# KiCad board keyboard.kicad_pcb (continued)
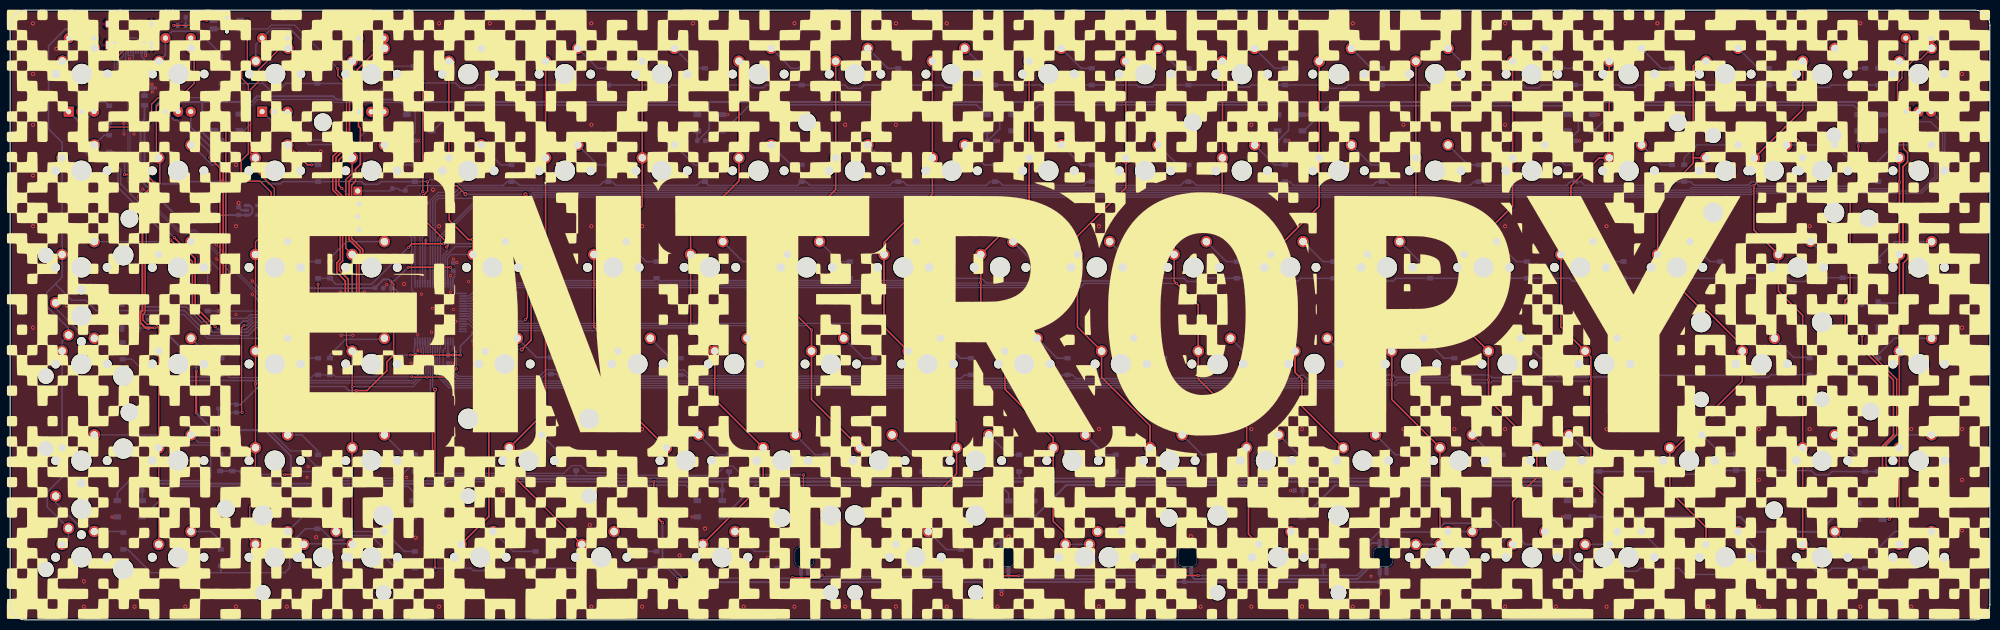
[diagram p0: board, top side]
## Nets
+3V3: C2.2 C6.1 C7.2 C14.2 C15.2 C16.2 C17.2 Q1.1 R1.1 R9.1 R11.1 SW1.1 U2.5 U3.1 U3.13 U3.19 U3.32 U3.48 U3.64
+5V: C18.2 C19.2 C20.2 C21.2 C22.2 C23.2 C24.2 C25.2 C27.2 C28.2 C29.2 C30.2 C32.2 C33.2 C34.2 C35.2 C36.2 C37.2 C38.2 C39.2 D1.1 D2.1 D3.1 D4.1 D5.1 D6.1 D7.1 D8.1 D9.1 D10.1 D11.1 D12.1 D13.1 D15.1 D17.1 D20.1 D21.1 D22.1 D23.1 D25.1 R2.1
GND: BZ1.2 C1.1 C2.1 C3.2 C4.2 C5.2 C6.2 C7.1 C14.1 C15.1 C16.1 C17.1 C18.1 C19.1 C20.1 C21.1 C22.1 C23.1 C24.1 C25.1 C26.2 C27.1 C28.1 C29.1 C30.1 C32.1 C33.1 C34.1 C35.1 C36.1 C37.1 C38.1 C39.1 C40.1 D1.3 D2.3 D3.3 D4.3 D5.3 D6.3 D7.3 D8.3 D9.3 D10.3 D11.3 D12.3 D13.3 D14.1 D15.3 D17.3 D20.3 D21.3 D22.3 D23.3 D25.3 J1.A1 J1.A12 J1.B1 J1.B12 J1.S1 J2.3 K_0.C K_1.C K_2.C K_3.C K_19.C Q3.2 R5.1 R6.2 R8.2 U1.2 U2.2 U3.12 U3.31 U3.47 U3.63 Y1.2 Y1.4
VBUS: C40.2 F1.2 J1.A4 J1.A9 J1.B4 J1.B9 U1.5
/BOOT0: C3.1 D24.1 R8.1 U3.60
/BUZZER: BZ1.1 U3.20
/col0: K_0.S1 K_20.1 K_39.1 K_40.1 K_59.1 K_77.1 K_78.1 K_96.1 U3.33
/col1: K_1.S1 K_21.1 K_41.1 K_60.1 K_79.1 K_97.1 U3.30
/col2: K_2.S1 K_22.1 K_42.1 K_61.1 K_80.1 K_108.1 U3.29
/col3: K_3.S1 K_23.1 K_43.1 K_62.1 K_81.1 K_98.1 K_109.1 U3.28
/col4: K_4.1 K_24.1 K_44.1 K_63.1 K_99.1 U3.62
/col5: K_5.1 K_25.1 K_82.1 K_100.1 U3.61
/col6: K_6.1 K_26.1 K_45.1 K_64.1 K_83.1 U3.11
/col7: K_7.1 K_27.1 K_46.1 K_65.1 K_84.1 K_101.1 U3.10
/col8: K_8.1 K_28.1 K_47.1 K_66.1 K_85.1 U3.9
/col9: K_9.1 K_29.1 K_48.1 K_67.1 K_86.1 K_110.1 U3.8
/col10: K_10.1 K_30.1 K_49.1 K_68.1 K_87.1 K_102.1 K_111.1 U3.2
/col11: K_11.1 K_31.1 K_50.1 K_69.1 K_88.1 U3.3
/col12: K_12.1 K_32.1 K_51.1 K_70.1 K_89.1 K_112.1 U3.4
/col13: K_13.1 K_33.1 K_52.1 K_71.1 K_90.1 U3.17
/col14: K_14.1 K_34.1 K_53.1 K_72.1 K_91.1 K_103.1 K_113.1 U3.22
/col15: K_15.1 K_35.1 K_54.1 K_73.1 K_92.1 K_114.1 U3.23
/col16: K_16.1 K_36.1 K_55.1 K_74.1 K_104.1 K_115.1 U3.24
/col17: K_17.1 K_56.1 K_75.1 K_93.1 K_105.1 K_117.1 U3.55
/col18: K_18.1 K_37.1 K_57.1 K_94.1 K_106.1 K_118.1 U3.56
/col19: K_19.S1 K_38.1 K_58.1 K_76.1 K_95.1 K_107.1 U3.57
/ENC0_A: K_0.A U3.34
/ENC0_B: K_0.B U3.35
/ENC1_A: K_1.A U3.38
/ENC1_B: K_1.B U3.39
/ENC2_A: K_2.A U3.40
/ENC2_B: K_2.B U3.41
/ENC3_A: K_3.A U3.43
/ENC3_B: K_3.B U3.42
/ENC4_A: K_19.A U3.58
/ENC4_B: K_19.B U3.59
/nRST: C26.1 J2.1 Q3.3 U3.7
/row0: D_0.1 D_1.1 D_2.1 D_3.1 D_4.1 D_5.1 D_6.1 D_7.1 D_8.1 D_9.1 D_10.1 D_11.1 D_12.1 D_13.1 D_14.1 D_15.1 D_16.1 D_17.1 D_18.1 D_19.1 U3.51
/row1: D_20.1 D_21.1 D_22.1 D_23.1 D_24.1 D_25.1 D_26.1 D_27.1 D_28.1 D_29.1 D_30.1 D_31.1 D_32.1 D_33.1 D_34.1 D_35.1 D_36.1 D_37.1 D_38.1 D_59.1 U3.52
/row2: D_39.1 D_41.1 D_42.1 D_43.1 D_44.1 D_45.1 D_46.1 D_47.1 D_48.1 D_49.1 D_50.1 D_51.1 D_52.1 D_53.1 D_54.1 D_55.1 D_56.1 D_57.1 D_58.1 U3.53
/row3: D_40.1 D_60.1 D_61.1 D_62.1 D_63.1 D_64.1 D_65.1 D_66.1 D_67.1 D_68.1 D_69.1 D_70.1 D_71.1 D_72.1 D_73.1 D_74.1 D_75.1 D_76.1 U3.27
/row4: D_77.1 D_79.1 D_80.1 D_81.1 D_82.1 D_83.1 D_84.1 D_85.1 D_86.1 D_87.1 D_88.1 D_89.1 D_90.1 D_91.1 D_92.1 D_93.1 D_94.1 D_95.1 U3.26
/row5: D_78.1 D_97.1 D_98.1 D_99.1 D_100.1 D_101.1 D_102.1 D_103.1 D_104.1 D_105.1 D_106.1 D_107.1 D_108.1 D_110.1 D_112.1 D_114.1 U3.25
/SWDCLK: J2.4 U3.49
/SWDIO: J2.2 U3.46
/underglow: Q1.2 R1.2 U3.36
/USB+: J1.A6 J1.B6 U1.3
/USB-: J1.A7 J1.B7 U1.1
/USB_D+: R9.2 U1.4 U3.45
/USB_D-: U1.6 U3.44
/XTAL_0: C4.1 U3.5 Y1.3
/XTAL_1: C5.1 U3.6 Y1.1
Net-(C1-Pad2): C1.2 F1.1 U2.1 U2.3
Net-(D1-Pad2): D1.2 D3.4
Net-(D1-Pad4): D1.4 Q1.3 R2.2
Net-(D2-Pad2): D2.2 D4.4
Net-(D2-Pad4): D2.4 D20.2
Net-(D3-Pad2): D3.2 D5.4
Net-(D4-Pad2): D4.2 D6.4
Net-(D5-Pad2): D5.2 D7.4
Net-(D6-Pad2): D6.2 D8.4
Net-(D7-Pad2): D7.2 D9.4
Net-(D10-Pad2): D10.2 D12.4
Net-(D10-Pad4): D8.2 D10.4
Net-(D11-Pad2): D11.2 D13.4
Net-(D11-Pad4): D9.2 D11.4
Net-(D12-Pad2): D12.2 D21.4
Net-(D13-Pad2): D13.2 D15.4
Net-(D14-Pad2): D14.2 R11.2
Net-(D15-Pad2): D15.2 D17.4
Net-(D17-Pad2): D17.2 D20.4
Net-(D21-Pad2): D21.2 D22.4
Net-(D22-Pad2): D22.2 D23.4
Net-(D23-Pad2): D23.2 D25.4
Net-(D24-Pad2): D24.2 Q3.1 SW1.2
Net-(D_0-Pad2): D_0.2 K_0.S2
Net-(D_1-Pad2): D_1.2 K_1.S2
Net-(D_2-Pad2): D_2.2 K_2.S2
Net-(D_3-Pad2): D_3.2 K_3.S2
Net-(D_4-Pad2): D_4.2 K_4.2
Net-(D_5-Pad2): D_5.2 K_5.2
Net-(D_6-Pad2): D_6.2 K_6.2
Net-(D_7-Pad2): D_7.2 K_7.2
Net-(D_8-Pad2): D_8.2 K_8.2
Net-(D_9-Pad2): D_9.2 K_9.2
Net-(D_10-Pad2): D_10.2 K_10.2
Net-(D_11-Pad2): D_11.2 K_11.2
Net-(D_12-Pad2): D_12.2 K_12.2
Net-(D_13-Pad2): D_13.2 K_13.2
Net-(D_14-Pad2): D_14.2 K_14.2
Net-(D_15-Pad2): D_15.2 K_15.2
Net-(D_16-Pad2): D_16.2 K_16.2
Net-(D_17-Pad2): D_17.2 K_17.2
Net-(D_18-Pad2): D_18.2 K_18.2
Net-(D_19-Pad2): D_19.2 K_19.S2
Net-(D_20-Pad2): D_20.2 K_20.2
Net-(D_21-Pad2): D_21.2 K_21.2
Net-(D_22-Pad2): D_22.2 K_22.2
Net-(D_23-Pad2): D_23.2 K_23.2
Net-(D_24-Pad2): D_24.2 K_24.2
Net-(D_25-Pad2): D_25.2 K_25.2
Net-(D_26-Pad2): D_26.2 K_26.2
Net-(D_27-Pad2): D_27.2 K_27.2
Net-(D_28-Pad2): D_28.2 K_28.2
Net-(D_29-Pad2): D_29.2 K_29.2
Net-(D_30-Pad2): D_30.2 K_30.2
Net-(D_31-Pad2): D_31.2 K_31.2
Net-(D_32-Pad2): D_32.2 K_32.2
Net-(D_33-Pad2): D_33.2 K_33.2
Net-(D_34-Pad2): D_34.2 K_34.2
Net-(D_35-Pad2): D_35.2 K_35.2
Net-(D_36-Pad2): D_36.2 K_36.2
Net-(D_37-Pad2): D_37.2 K_37.2 K_118.2
Net-(D_38-Pad2): D_38.2 K_38.2
Net-(D_39-Pad2): D_39.2 K_39.2
Net-(D_40-Pad2): D_40.2 K_40.2 K_59.2
Net-(D_41-Pad2): D_41.2 K_41.2
Net-(D_42-Pad2): D_42.2 K_42.2
Net-(D_43-Pad2): D_43.2 K_43.2
Net-(D_44-Pad2): D_44.2 K_44.2
Net-(D_45-Pad2): D_45.2 K_45.2
Net-(D_46-Pad2): D_46.2 K_46.2
Net-(D_47-Pad2): D_47.2 K_47.2
Net-(D_48-Pad2): D_48.2 K_48.2
Net-(D_49-Pad2): D_49.2 K_49.2
Net-(D_50-Pad2): D_50.2 K_50.2
Net-(D_51-Pad2): D_51.2 K_51.2
Net-(D_52-Pad2): D_52.2 K_52.2
Net-(D_53-Pad2): D_53.2 K_53.2
Net-(D_54-Pad2): D_54.2 K_54.2
Net-(D_55-Pad2): D_55.2 K_55.2
Net-(D_56-Pad2): D_56.2 K_56.2
Net-(D_57-Pad2): D_57.2 K_57.2
Net-(D_58-Pad2): D_58.2 K_58.2
Net-(D_59-Pad2): D_59.2 K_117.2
Net-(D_60-Pad2): D_60.2 K_60.2
Net-(D_61-Pad2): D_61.2 K_61.2
Net-(D_62-Pad2): D_62.2 K_62.2
Net-(D_63-Pad2): D_63.2 K_63.2
Net-(D_64-Pad2): D_64.2 K_64.2
Net-(D_65-Pad2): D_65.2 K_65.2
Net-(D_66-Pad2): D_66.2 K_66.2
Net-(D_67-Pad2): D_67.2 K_67.2
Net-(D_68-Pad2): D_68.2 K_68.2
Net-(D_69-Pad2): D_69.2 K_69.2
Net-(D_70-Pad2): D_70.2 K_70.2
Net-(D_71-Pad2): D_71.2 K_71.2
Net-(D_72-Pad2): D_72.2 K_72.2
Net-(D_73-Pad2): D_73.2 K_73.2
Net-(D_74-Pad2): D_74.2 K_74.2
Net-(D_75-Pad2): D_75.2 K_75.2
Net-(D_76-Pad2): D_76.2 K_76.2
Net-(D_77-Pad2): D_77.2 K_77.2
Net-(D_78-Pad2): D_78.2 K_78.2 K_96.2
Net-(D_79-Pad2): D_79.2 K_79.2
Net-(D_80-Pad2): D_80.2 K_80.2
Net-(D_81-Pad2): D_81.2 K_81.2
Net-(D_82-Pad2): D_82.2 K_82.2
Net-(D_83-Pad2): D_83.2 K_83.2
Net-(D_84-Pad2): D_84.2 K_84.2
Net-(D_85-Pad2): D_85.2 K_85.2
Net-(D_86-Pad2): D_86.2 K_86.2
Net-(D_87-Pad2): D_87.2 K_87.2
Net-(D_88-Pad2): D_88.2 K_88.2
Net-(D_89-Pad2): D_89.2 K_89.2
Net-(D_90-Pad2): D_90.2 K_90.2
Net-(D_91-Pad2): D_91.2 K_91.2
Net-(D_92-Pad2): D_92.2 K_92.2
Net-(D_93-Pad2): D_93.2 K_93.2
Net-(D_94-Pad2): D_94.2 K_94.2
Net-(D_95-Pad2): D_95.2 K_95.2
Net-(D_97-Pad2): D_97.2 K_97.2
Net-(D_98-Pad2): D_98.2 K_98.2 K_109.2
Net-(D_99-Pad2): D_99.2 K_99.2
Net-(D_100-Pad2): D_100.2 K_100.2
Net-(D_101-Pad2): D_101.2 K_101.2
Net-(D_102-Pad2): D_102.2 K_102.2 K_111.2
Net-(D_103-Pad2): D_103.2 K_103.2 K_113.2
Net-(D_104-Pad2): D_104.2 K_104.2 K_115.2
Net-(D_105-Pad2): D_105.2 K_105.2
Net-(D_106-Pad2): D_106.2 K_106.2
Net-(D_107-Pad2): D_107.2 K_107.2
Net-(D_108-Pad2): D_108.2 K_108.2
Net-(D_110-Pad2): D_110.2 K_110.2
Net-(D_112-Pad2): D_112.2 K_112.2
Net-(D_114-Pad2): D_114.2 K_114.2
Net-(J1-PadA5): J1.A5 R5.2
Net-(J1-PadB5): J1.B5 R6.1

Pads without a net: D25 2; J1 A8 B8; U2 4; U3 14 15 16 18 21 37 50 54

## Via types
v1: diameter 0.6, hole 0.3, Top to Bottom, 224 vias
v2: diameter 0.8, hole 0.4, Top to Bottom, 217 vias

## Routing (per net, layer and track width the routed paths; a pad name or vN(x,y) marks a point on that pad's centre or on a via; arc(x,y) is an arc through that point)
+3V3: length 206.4
  Top w0.25: v1(38.7,118.2) 36.9,118.2 35.9,117.2 v1(32.2,117.2) ; v1(46.7,118.2) 46.7,109.7 45.6,108.6 45.6,106.75 46.9,105.45 46.9,91.9 45.5,90.5 45.5,87.7 46.7,86.5 49.2,86.5 51.4,84.3 v1(51.4,79.8)
  Top w0.3: v1(78.89,52.19) 78.9,52.2 v1(87.2,52.2) v1(88.7,52.2) ; v1(86.78,69.5) v1(78.4,69.5) ; v1(68.15,45.2) 70.3,45.2 74.2,49.1 74.2,50.85 v1(75.55,52.2) 75.55,66.18 v1(74.91,66.81)
  Bottom w0.25: v1(38.7,118.2) SW1.1 ; C7.2 91.3,57.4 90.35,58.35 U3.13 ; U3.1 87.95,64.35 87.25,65.05 U3.64 ; C16.2 79.6,52.39 79.6,53.6 79.75,53.75 U3.32 ; v1(51.4,79.8) C2.2 ; R11.1 v1(32.2,117.2)
  Bottom w0.3: v1(46.7,118.2) SW1.1 44.05,118.2 43.5,117.65 41.8,117.65 41.25,118.2 SW1.1 ; Q1.1 44.39,42.6 R1.1 45.39,42.44 48.95,46 65.9,46 66.7,45.2 v1(68.15,45.2) ; 75.12,65.35 C15.2 ; C15.2 75.07,63.92 R9.1 ; C15.2 75.6,65.4 76.65,64.35 U3.48 ; v1(87.2,52.2) 87.19,52.19 C17.2 86.25,52.24 U3.19 ; v1(88.7,52.2) 88.7,53.99 C7.2 ; v1(74.91,66.81) 75.71,66.81 v1(78.4,69.5) ; v1(86.78,69.5) 86.78,69.34 C14.2 87.55,68.56 87.55,67.65 87.25,67.35 U3.64 ; v1(75.55,52.2) v1(78.89,52.19) C16.2 79.81,52.2
  Bottom w0.4: C15.2 75.07,66.65 v1(74.91,66.81) 74.61,67.11 73.54,67.11 C6.1 71.82,65.4 58.8,65.4 55,69.2 55,70.95 50.4,75.55 C2.2 50.39,79.79 U2.5
+5V: length 1068.7
  Top w0.3: v1(368.85,26.1) 368.85,34.32 371,36.47 371,47.25 361.5,56.75 v1(361.5,62.45) 361.5,63.05 362.5,64.05 362.5,84.6 364.1,86.2 v1(364.1,93.45) ; 126.8,24.35 v1(126.8,27.25)
  Top w0.4: v1(128.5,19.15) 126.8,20.85 126.8,24.35 ; v1(36.65,49.05) v1(36.65,40.8) ; v1(28.44,57.56) 26.65,57.56 25.62,58.58 25.62,60.52 26.05,60.95 26.05,83.55 27.47,84.97 v2(27.47,86.07)
  Bottom w0.25: C37.2 79.8,96.1 79.8,102.1
  Bottom w0.3: D1.1 26.04,23.54 C18.2 ; 137.7,102.1 137.7,96.7 135.45,94.45 C27.2 135.35,94.46 D6.1 ; D11.1 311.74,23.53 C34.2 ; D4.1 192.5,94.44 C39.2 192.55,94.4 194.95,96.8 194.95,102.1 ; C24.2 v1(364.1,93.45) ; C29.2 201.6,25.41 D7.1 ; C28.2 140.29,23.5 D5.1 ; D8.1 C37.2 ; C33.2 27.19,57.55 D12.1 ; D15.1 C38.2 v1(361.5,62.45) ; D17.1 364.05,96.7 ; 308.95,102.1 308.95,96.45 306.95,94.45 C30.2 306.87,94.46 D20.1 ; D13.1 368.84,23.01 C36.2 368.84,26.09 v1(368.85,26.1) ; 251.85,102.1 251.85,96.5 249.8,94.45 C22.2 249.68,94.47 D2.1 ; D9.1 254.6,23.53 C25.2 ; C35.2 40.25,94.59 D10.1
  Bottom w0.4: D23.1 231.31,9.64 231.31,7.5 ; D25.1 269.81,9.64 269.81,7.4 ; v1(36.65,40.8) 40.05,37.4 42.55,37.4 ; R2.1 42.62,37.47 42.55,37.4 ; 42.55,37.4 50.2,37.4 55.3,32.3 55.3,26.9 55.25,26.85 ; 84.35,26.85 84.95,26.85 85.9,27.8 111.42,27.8 119.03,27.8 119.58,27.25 140.3,27.25 ; 84.35,26.85 55.25,26.85 ; 84.35,26.85 C32.2 84.35,23.51 D3.1 ; C25.2 254.6,27.2 254.65,27.25 ; 140.3,27.25 201.65,27.25 ; 140.3,27.25 140.3,25.51 C28.2 ; C24.2 364.05,94.45 D17.1 364.05,97.55 365.45,98.95 365.45,100.35 363.7,102.1 77.6,102.1 77.12,102.58 64.27,102.58 63.62,103.23 48.63,103.23 47.51,102.1 36.2,102.1 ; 201.65,27.25 254.65,27.25 ; 201.65,27.25 201.65,25.46 C29.2 ; 55.25,26.85 26.55,26.85 26.04,26.34 C18.2 ; C34.2 311.74,26.46 310.95,27.25 254.65,27.25 ; 36.2,102.1 37.85,102.1 37.85,96.15 39.45,94.55 C35.2 ; 36.2,102.1 29.4,102.1 28.8,101.5 28.8,99.9 26.45,97.55 26.45,87.08 v2(27.47,86.07) ; v1(36.65,49.05) 36.65,50.65 29.74,57.56 v1(28.44,57.56) C33.2 ; 155.81,7.4 155.81,9.64 D21.1 ; v1(128.5,19.15) 128.5,12.15 133.22,7.43 155.74,7.43 C20.2 155.84,7.45 195.26,7.45 C19.2 C21.2 231.34,7.45 269.29,7.45 269.32,7.49 C23.2 ; D22.1 195.31,9.64 195.31,7.4
GND: length 117.4
  Bottom w0.25: v1(47.7,64.2) v1(49,62.9) ; C40.1 27.97,104.07 v1(28,104.05) ; C40.1 v1(28.65,104.85) ; C40.1 27.97,105.57 v1(27.95,105.6) ; v1(86.75,64.6) U3.63 86.75,67.87 v1(86.78,67.89) ; v1(59.9,63.5) v1(61.5,63.5) ; Y1.2 93.88,62.18 v1(93.1,61.4) ; v1(76.4,63.6) 76.65,63.85 U3.47 78.85,63.85 v1(79.1,64.1) ; Y1.4 96.72,61.82 v1(97.5,62.6) ; U1.2 v1(23.5,110.6) ; v1(27.8,83.4) 26.31,84.89 v1(26.12,84.89) ; C4.2 v1(99.6,63.6) ; v1(65,63.6) v1(69.8,63.6) ; v1(24.43,86.9) v1(24.43,88.8) ; 94.1,62 93.92,61.82 93.92,61.88 ; v1(80.33,53.1) 80.25,53.18 U3.31 v1(80.25,56.25) ; U3.12 v1(87.75,58.85) ; v1(67.5,56.1) v1(65.2,56.1) ; C5.2 99.59,60.89 ; v1(25.3,83.4) v1(27.6,81.1) ; C7.1 v1(91.3,54.2) ; 96.68,62.18 96.68,62.12 ; 96.68,62.18 96.5,62 ; 96.68,62.18 96.68,62.28 ; v1(47.7,66.8) v1(49,65.5) ; C6.2 v1(71.1,63.9) ; v1(24.4,95.8) v1(24.4,97.9) ; D14.1 v1(32.2,118.8) ; v1(22.4,95.8) v1(22.4,97.9) ; v1(40.7,71.2) v1(43.3,68.6) ; v1(43.2,71.4) v1(40.6,74) ; v1(69.8,64.6) v1(65,64.6) ; v1(59.9,61.7) v1(61.5,61.7)
  Bottom w0.3: C3.2 v1(72.05,79.8) ; D9.3 v1(248.6,20.3) ; D2.3 v1(255.65,99.6) ; J1.B12 J1.A1 20.02,112.45 J1.S1 ; D12.3 v1(22,63.5) ; D13.3 v1(362.9,19.8) ; Q3.2 v1(74.35,82.3) ; R6.2 v1(19.55,102.7) ; R8.2 v1(72.05,78.25) ; C33.1 27.96,59.14 v1(28,59.1) ; D6.3 v1(141.35,99.6) ; C39.1 v1(194.75,94.4) ; D10.3 46.05,99.7 v1(46.09,99.66) ; C38.1 v1(362.8,60.15) ; C27.1 v1(137.65,94.45) ; J1.S1 26.98,112.45 J1.A12 J1.B1 26.55,111.4 v1(26.7,111.25) ; D7.3 v1(195.65,20.25) ; C28.1 v1(137.95,25.5) ; D20.3 v1(312.85,99.6) ; C32.1 v1(82,25.5) ; C35.1 41.79,93.76 v1(41.8,93.75) ; v1(87.3,71.15) C14.1 87.95,70.39 v1(88,70.44) ; C37.1 v1(80.45,94.45) ; D5.3 v1(134.35,20.3) ; D8.3 v1(84.15,99.6) ; D11.3 v1(305.8,20.3) ; D4.3 v1(198.45,99.6) ; v1(79.8,49.9) C16.1 79.01,50.61 v1(79,50.6) ; C26.2 v1(78.65,83.05) ; R5.1 v1(21.05,102.7) ; v1(86.3,49.9) C17.1 87.09,50.61 v1(87.1,50.6) ; C34.1 v1(309.4,25.5) ; D1.3 v1(20.05,20.3) ; BZ1.2 v1(195.95,59.95) ; C24.1 v1(366.4,94.4) ; C36.1 v1(366.5,25) ; D3.3 v1(78.35,20.3) ; D15.3 v1(368,56.5) ; C18.1 v1(23.7,25.5) ; C30.1 v1(309.2,94.45) ; C22.1 v1(251.95,94.45) ; C15.1 v1(74.2,66.1) ; D17.3 v1(370,99.6) ; C25.1 v1(252.25,25.5) ; C29.1 v1(199.35,25.45)
  Bottom w0.4: C21.1 v2(231.3,5.1) ; v2(196.7,16.4) 196.66,16.36 D22.3 ; v2(157.2,16.5) 157.16,16.46 D21.3 ; v2(232.6,16.5) 232.66,16.44 D23.3 ; v2(45,82.2) 45,81.38 45.63,80.74 U2.2 ; 50.4,81.38 v2(50.4,82.3) ; v2(271.2,16.5) 271.16,16.46 D25.3 ; C19.1 v2(195.3,5.1) ; C20.1 v2(155.8,5.1) ; C23.1 v2(269.8,5.2)
  Bottom w0.5: 20.3,112.3 v1(20.3,111.3) ; J1.A12 26.7,112.3 v1(26.7,111.25)
  vias: v1(35.6,83.5) v1(36.9,78.9) v1(44.5,60.2) v1(58.5,28.1) v1(58.7,30.2) v1(60.2,82.2) v1(78.1,28.1) v1(79.6,60.7) v1(81,64.2) v1(83,56.7) v1(83.2,61.4) v1(85.1,56.8) v1(87.3,61.2) v1(90.3,66.7) v1(93.5,59.7) v1(93.6,72.5) v1(94,64.6) v1(98.7,67.5) v1(99.1,75.5) v1(99.2,73.5) v1(99.6,60.9) v1(193.9,9.9) v1(230.2,9.8) v1(268.1,8.6) v2(4.5,117.6) v2(4.5,107.6) v2(4.5,97.6) v2(4.5,87.6) v2(4.5,77.6) v2(4.5,67.6) v2(4.5,57.6) v2(4.5,47.6) v2(4.5,37.6) v2(4.5,27.6) v2(4.5,17.6) v2(4.5,7.6) v2(4.5,2.6) v2(9.1,112.6) v2(11.2,62) v2(14.5,77.6) v2(14.5,37.6) v2(14.5,7.6) v2(14.5,2.6) v2(24.5,117.6) v2(24.5,2.6) v2(31.7,92) v2(34.5,7.6) v2(34.5,2.6) v2(44.5,89.7) v2(44.5,77.6) v2(44.5,2.6) v2(54.5,77.6) v2(54.5,2.6) v2(60.3,16.3) v2(61.2,92.3) v2(64.5,117.6) v2(64.5,37.6) v2(64.5,2.6) v2(74.5,117.6) v2(74.5,2.6) v2(77.6,66.2) v2(77.8,71.2) v2(79.9,16.2) v2(82,82.2) v2(83.3,84.8) v2(84.5,117.6) v2(84.5,77.6) v2(84.5,2.6) v2(86.8,25.7) v2(86.8,22.6) v2(88.1,19.1) v2(94.5,117.6) v2(94.5,97.6) v2(94.5,77.6) v2(94.5,2.6) v2(96.8,55.4) v2(97,25.5) v2(97.1,22.7) v2(102.6,18.7) v2(104.5,117.6) v2(104.5,97.6) v2(104.5,77.6) v2(104.5,2.6) v2(108.4,25.9) v2(114.2,18.7) v2(114.5,117.6) v2(114.5,97.6) v2(114.5,77.6) v2(114.5,2.6) v2(120.7,24.4) v2(124.1,17.5) v2(124.5,117.6) v2(124.5,77.6) v2(124.5,37.6) v2(124.5,2.6) v2(131.3,16.9) v2(131.9,12.7) v2(134.5,117.6) v2(134.5,2.6) v2(136.9,18) v2(137.2,9.9) v2(144.5,117.6) v2(144.5,97.6) v2(144.5,77.6) v2(144.5,2.6) v2(147.1,9.5) v2(149.3,12.2) v2(154.5,117.6) v2(154.5,2.6) v2(164.5,117.6) v2(164.5,97.6) v2(164.5,77.6) v2(164.5,2.6) v2(174.5,117.6) v2(174.5,97.6) v2(174.5,2.6) v2(184.5,117.6) v2(184.5,97.6) v2(184.5,77.6) v2(184.5,37.6) v2(184.5,2.6) v2(194.5,117.6) v2(194.5,77.6) v2(194.5,2.6) v2(204.5,117.6) v2(204.5,97.6) v2(204.5,77.6) v2(204.5,2.6) v2(214.5,117.6) v2(214.5,97.6) v2(214.5,77.6) v2(214.5,37.6) v2(214.5,2.6) v2(224.5,117.6) v2(224.5,97.6) v2(224.5,77.6) v2(224.5,2.6) v2(234.5,117.6) v2(234.5,77.6) v2(234.5,37.6) v2(234.5,2.6) v2(244.5,117.6) v2(244.5,97.6) v2(244.5,77.6) v2(244.5,37.6) v2(244.5,2.6) v2(254.5,117.6) v2(254.5,37.6) v2(254.5,2.6) v2(264.5,117.6) v2(264.5,97.6) v2(264.5,77.6) v2(264.5,37.6) v2(264.5,2.6) v2(274.5,117.6) v2(274.5,97.6) v2(274.5,77.6) v2(274.5,37.6) v2(274.5,2.6) v2(284.5,117.6) v2(284.5,97.6) v2(284.5,77.6) v2(284.5,37.6) v2(284.5,2.6) v2(294.5,117.6) v2(294.5,97.6) v2(294.5,77.6) v2(294.5,37.6) v2(294.5,2.6) v2(304.5,117.6) v2(304.5,97.6) v2(304.5,77.6) v2(304.5,37.6) v2(304.5,2.6) v2(314.5,117.6) v2(314.5,77.6) v2(314.5,37.6) v2(314.5,27.6) v2(314.5,2.6) v2(324.5,117.6) v2(324.5,37.6) v2(324.5,27.6) v2(324.5,2.6) v2(334.5,117.6) v2(334.5,97.6) v2(334.5,77.6) v2(334.5,27.6) v2(334.5,2.6) v2(344.5,117.6) v2(344.5,97.6) v2(344.5,37.6) v2(344.5,27.6) v2(344.5,2.6) v2(354.5,117.6) v2(354.5,97.6) v2(354.5,77.6) v2(354.5,37.6) v2(354.5,27.6) v2(354.5,2.6) v2(364.5,117.6) v2(364.5,37.6) v2(364.5,2.6) v2(374.5,117.6) v2(374.5,97.6) v2(374.5,77.6) v2(374.5,37.6) v2(374.5,2.6) v2(384.5,117.6) v2(384.5,107.6) v2(384.5,97.6) v2(384.5,87.6) v2(384.5,87.6) v2(384.5,77.6) v2(384.5,67.6) v2(384.5,67.6) v2(384.5,67.6) v2(384.5,57.6) v2(384.5,57.6) v2(384.5,47.6) v2(384.5,37.6) v2(384.5,27.6) v2(384.5,17.6) v2(384.5,7.6)
VBUS: length 22
  Bottom w0.25: J1.A4 21.27,112.77 21.27,113.93 21.3,113.95 ; 21.27,112.47 J1.B9
  Bottom w0.3: 26.4,108.5 26.4,110.6 25.9,111.1 25.9,112.3 J1.A9 J1.B4 25.75,113.55 25.7,113.6 25.7,113.83 24.83,114.7 22.05,114.7 21.3,113.95 ; 26.4,108.5 C40.2 26.4,103.39 F1.2 ; 26.4,108.5 23.67,108.5 23.5,108.33 U1.5 ; J1.B9 J1.A4
/BOOT0: length 23.6
  Top w0.25: v1(86,73.5) 86.3,73.8 86.3,74.15 82.2,78.25 v1(77.5,78.25)
  Bottom w0.25: U3.60 85.25,71.85 86,72.6 v1(86,73.5)
  Bottom w0.3: v1(77.5,78.25) D24.1 R8.1 C3.1
/BUZZER: length 117.9
  Bottom w0.25: BZ1.1 185.25,59.95 181.5,56.2 181.5,54.95 178.05,51.5 178.05,49.05 177.1,48.1 172.45,48.1 171.31,49.24 169.39,49.24 168.2,48.05 153.25,48.05 152.15,49.15 150.28,49.15 149.24,48.12 133.93,48.12 132.81,49.24 131.34,49.24 130.15,48.05 108.75,48.05 107.5,49.3 105.56,49.3 104.26,48 88.26,48 87.04,49.23 85.8,49.23 85.3,49.72 85.3,53.1 85.75,53.55 U3.20
/col0: length 194
  Bottom w0.3: K_96.1 11.5,16.15 K_78.1 7.3,22.25 7.3,25.2 10.23,28.13 K_77.1 K_59.1 10.23,54.88 K_40.1 11.5,57.5 7.2,61.8 7.2,64.5 8.92,66.22 ; U3.33 75.9,56.85 75.45,57.3 72.2,57.3 71.75,56.85 71.71,56.85 64.35,56.85 63.6,57.6 48.45,57.6 46.9,56.05 39.25,56.05 34.32,60.98 16.92,60.98 14.9,63 12.15,63 8.92,66.22 ; K_0.S1 16.54,112.79 K_0.S1 14.72,116.5 10.9,116.5 7.55,113.15 7.55,96.8 10.23,94.12 K_20.1 K_39.1 10.23,67.53 8.92,66.22
/col1: length 170.2
  Top w0.25: K_1.S1 35.59,112.79 K_1.S1 36.25,112.12 36.25,105.76 32.31,101.82 29.47,101.82 28.8,101.15 28.8,91.55 K_21.1 29.5,90.85 29.5,86.2 26.81,83.51 26.81,72.04 26.6,71.84 26.6,60.65 26.15,60.2 26.15,59.1 26.95,58.3 28.66,58.3 29.28,57.68 K_60.1 v1(29.28,48.08) K_79.1 K_97.1
  Top w0.3: K_41.1 26.82,72.03 26.81,72.04
  Bottom w0.25: U3.30 80.75,53.68 80.98,53.45 80.98,48.88 79.28,47.18 78.63,47.18
  Bottom w0.3: 78.63,47.18 30.18,47.18 v1(29.28,48.08)
/col2: length 148.6
  Top w0.25: K_2.S1 53.18,112.69 49,108.51 49,106.2 47.35,104.55 47.35,92.05 K_22.1 48.33,88.77 52.05,85.05 52.05,78.25 48.33,74.53 K_42.1 K_61.1 48.33,46.56 v1(48.3,46.53) 48.33,46.49 K_80.1 48.33,23.48 47.2,22.35 47.2,16 K_108.1
  Bottom w0.25: U3.29 81.25,53.81 81.43,53.64 81.43,48.69 79.44,46.7 48.47,46.7 v1(48.3,46.53)
  Bottom w0.3: K_2.S1 54.64,112.79 K_2.S1
/col3: length 137.2
  Top w0.25: K_109.1 K_81.1 v1(67.38,45.97) K_62.1 66.25,54.1 66.25,61.8 67.38,62.93 K_43.1 66.12,73.28 66.12,86.78 67.38,88.03 K_23.1
  Top w0.3: K_23.1 66.85,91.6 66.85,105.95 68.35,107.45 68.35,108.4 72.62,112.67 K_3.S1
  Bottom w0.25: U3.28 81.75,53.95 81.88,53.82 81.88,48.5 79.35,45.97 v1(67.38,45.97)
  Bottom w0.3: K_3.S1 73.63,112.77 K_3.S1 ; K_109.1 67.25,15 57.97,15 K_98.1
/col4: length 133.6
  Top w0.3: K_99.1 94.3,20.37 94.3,52.25 K_63.1 ; v2(102.63,72.9) 102.63,55.13 v2(100.8,53.3) ; K_44.1 v2(91.19,74.99) 90.27,74.99 86.5,78.76 86.5,89.41 86.43,89.49 K_24.1 K_4.1
  Bottom w0.25: U3.62 86.25,67.39 86.15,67.49 86.15,71.35 86.83,72.03 K_44.1
  Bottom w0.3: v2(100.8,53.3) 93.89,53.3 K_63.1 ; v2(91.19,74.99) 94.89,74.99 96.6,76.7 98.83,76.7 99.86,75.66 99.86,74.84 101.8,72.9 v2(102.63,72.9)
/col5: length 133.5
  Top w0.3: K_5.1 K_25.1 105.48,67.04 v1(105.46,67.03) 105.46,41.06 K_82.1 98.8,33.46 98.8,28.7 K_100.1
  Bottom w0.25: U3.61 85.75,67.25 85.7,67.3 85.7,71.6 87.67,73.57 94.73,73.57 96.38,71.92 99.88,71.92 102.36,69.44 102.36,68.17 103.5,67.03 v1(105.46,67.03)
/col6: length 113.8
  Top w0.3: K_83.1 119.76,43.45 K_64.1 v1(115.85,56.9) 115,57.74 K_45.1 124.53,81.55 K_26.1 K_6.1
  Bottom w0.25: v1(115.85,56.9) 115.74,57 92.55,57 90.2,59.35 U3.11
/col7: length 157.5
  Top w0.3: K_7.1 K_27.1 143.58,86.53 134.05,77 K_46.1 134.05,57.74 v1(135.27,56.52) K_65.1 138.81,43.45 K_84.1 148.34,26.84 136.43,14.93 K_101.1
  Bottom w0.25: U3.10 90.34,59.85 92.64,57.55 134.24,57.55 v1(135.27,56.52)
/col8: length 156.1
  Top w0.3: K_85.1 157.87,43.45 K_66.1 v1(157.87,57.13) 153.1,61.9 K_47.1 153.1,75.3 162.63,84.83 K_28.1 K_8.1
  Bottom w0.25: v1(157.87,57.13) 157,58 92.83,58 90.48,60.35 U3.9
/col9: length 194.2
  Top w0.3: K_110.1 174.53,16.88 186.44,28.79 K_86.1 186.44,39.06 176.92,48.59 K_67.1 172.15,57.74 v1(172.15,57.95) K_48.1 172.15,74.4 181.68,83.93 K_29.1 K_9.1
  Bottom w0.25: v1(172.15,57.95) 171.66,58.45 93.01,58.45 90.61,60.85 U3.8
/col10: length 214
  Top w0.3: K_10.1 K_30.1 200.73,81.55 K_49.1 v1(191.2,66.58) 191.2,57.74 K_68.1 195.96,45.48 205.49,35.96 K_87.1 205.49,19.41 207.87,17.03 K_102.1
  Bottom w0.25: v1(191.2,66.58) 191.03,66.4 93.03,66.4 90.48,63.85 U3.2
  Bottom w0.3: K_111.1 K_102.1
/col11: length 208.3
  Top w0.3: K_11.1 K_31.1 219.78,85.18 210.25,75.65 K_50.1 v1(210.25,66.13) 210.25,57.74 K_69.1 215.01,47.84 224.54,38.31 K_88.1
  Bottom w0.25: v1(210.25,66.13) 210.08,65.95 93.21,65.95 90.61,63.35 U3.3
/col12: length 248.1
  Top w0.3: K_112.1 243.95,16.9 243.95,33.57 K_89.1 243.59,37.96 234.06,47.48 K_70.1 234.06,62.03 v1(229.77,66.32) 229.3,66.8 K_51.1 229.3,74.75 238.78,84.23 238.78,91.03 K_32.1 K_12.1
  Bottom w0.25: U3.4 90.75,62.85 93.4,65.5 210.8,65.5 211.62,66.32 v1(229.77,66.32)
/col13: length 262.2
  Top w0.25: v1(86.6,48) 86.6,48.2 v1(87.9,49.5)
  Top w0.3: K_13.1 K_33.1 257.88,81.55 K_52.1 248.35,57.74 K_71.1 253.12,48.79 v1(254.48,47.43) 254.48,42.09 K_90.1
  Bottom w0.25: U3.17 87.25,53.45 87.9,52.8 v1(87.9,49.5) ; v1(254.48,47.43) 254.12,47.07 87.53,47.07 v1(86.6,48)
/col14: length 304.8
  Top w0.3: K_103.1 K_91.1 272.17,43.45 v1(272.17,47.34) K_72.1 267.4,57.74 K_53.1 276.93,81.55 K_34.1 K_14.1
  Bottom w0.25: U3.22 84.75,53.52 84.6,53.37 84.6,48.88 86.85,46.62 263.77,46.62 264.49,47.34 v1(272.17,47.34)
  Bottom w0.3: K_113.1 K_103.1
/col15: length 322
  Top w0.3: K_114.1 295.98,23.28 300.74,28.04 K_92.1 291.24,43.43 v1(291.24,47.33) 291.21,47.35 K_73.1 286.45,57.74 K_54.1 295.98,81.55 K_35.1 K_15.1
  Bottom w0.25: v1(291.24,47.33) 291.24,47.32 273.22,47.32 272.6,46.7 264.56,46.7 264.04,46.17 86.66,46.17 84.15,48.69 84.15,53.56 84.25,53.66 U3.23
/col16: length 344.9
  Top w0.3: K_115.1 315.03,23.42 311.39,27.06 v1(311.39,47.04) 311.39,51.85 K_74.1 305.5,57.74 K_55.1 307.5,74.03 307.5,85.55 313.03,91.08 K_36.1 K_16.1
  Bottom w0.25: v1(311.39,47.04) 311.38,47.05 291.95,47.05 291.6,46.7 273.45,46.7 273,46.25 264.75,46.25 264.22,45.72 86.48,45.72 83.7,48.5 83.7,53.75 83.75,53.8 U3.24
  Bottom w0.3: K_104.1 K_115.1
/col17: length 381.3
  Top w0.25: 331.58,91.12 331.62,91.08 K_117.1
  Top w0.3: K_17.1 332.49,110.13 331.58,109.22 331.58,90.03 v1(326.88,85.33) 324.55,83 K_56.1 324.55,69.83 333.34,61.04 334.25,61.04 341.22,54.07 K_75.1 341.22,47.07 328.08,33.93 K_93.1 326.93,25.42 334.08,18.27 K_105.1
  Bottom w0.25: v1(326.88,85.33) 326.71,85.15 102.65,85.15 88.55,85.15 87.66,84.26 84.29,84.26 82.75,82.72 U3.55
/col18: length 389.4
  Top w0.25: K_118.1 353.13,93.77 349.71,97.19 ; K_37.1 344.6,90.08 344.6,86.71 v1(343.51,85.63)
  Top w0.3: v1(343.51,85.63) 343.51,76.88 K_57.1 348.37,64.78 353.13,60.02 K_94.1 K_106.1 ; K_18.1 353.13,100.6 K_37.1
  Bottom w0.25: U3.56 83.25,82.59 84.31,83.64 87.94,83.64 89,84.7 102.84,84.7 330.7,84.7 331.22,85.22 342.6,85.22 343,85.63 v1(343.51,85.63)
/col19: length 409.7
  Top w0.25: K_38.1 371.8,91.45 371.8,105.9 372.7,106.8 372.7,108.1 375.1,110.5 376.36,110.5 K_19.S1
  Top w0.3: K_107.1 K_95.1 K_76.1 K_58.1 v1(372.18,86.28) K_38.1
  Bottom w0.25: K_19.S1 378.44,112.78 K_19.S1 ; U3.57 83.75,82.45 84.4,83.1 94.26,83.1 101.88,83.1 103.03,84.25 330.89,84.25 331.41,84.77 342.78,84.77 343.01,85 370.9,85 v1(372.18,86.28)
/ENC0_A: length 96.3
  Top w0.3: v1(31.6,74.9) 35.9,70.6 35.9,61.3 39.55,57.65 v1(39.55,57)
  Bottom w0.3: v1(31.6,74.9) 21.25,85.25 21.25,88.6 19.65,90.2 16.7,90.2 14.4,92.5 14.4,97.32 K_0.A ; v1(39.55,57) 39.85,56.7 46.75,56.7 48.2,58.15 63.95,58.15 64.75,57.35 71.35,57.35 71.85,57.85 75.75,57.85 76.25,57.35 U3.34
/ENC0_B: length 94.2
  Top w0.3: v1(40.4,57.8) 36.45,61.75 36.45,71.25 v1(32.35,75.35)
  Bottom w0.3: K_0.B 15,98.65 15,92.65 16.95,90.7 19.86,90.7 21.75,88.81 21.75,85.95 v1(32.35,75.35) ; U3.35 76.55,57.85 76.05,58.35 71.55,58.35 71.05,57.85 64.96,57.85 64.16,58.65 47.9,58.65 46.5,57.25 40.95,57.25 v1(40.4,57.8)
/ENC1_A: length 85.1
  Top w0.3: v1(41.7,58.05) 40.8,58.95 40.8,59.6 41.35,60.15 41.35,89.05 v1(39.3,91.1)
  Bottom w0.3: 30.86,100.19 K_1.A 32.28,98.5 32.93,98.5 39.3,92.13 v1(39.3,91.1) ; v1(41.7,58.05) 45.05,58.05 45.9,58.9 46.81,58.9 47.51,59.6 64.55,59.6 65.25,58.9 70.4,58.9 70.85,59.35 U3.38
/ENC1_B: length 80.4
  Top w0.3: v1(40.37,91.27) 41.95,89.68 41.95,59.75 v1(41.65,59.45)
  Bottom w0.3: K_1.B 35.59,97.11 40.37,92.33 v1(40.37,91.27) ; U3.39 70.55,59.85 70.15,59.45 65.55,59.45 64.85,60.15 47.3,60.15 46.6,59.45 v1(41.65,59.45)
/ENC2_A: length 66.8
  Top w0.3: v1(64.35,61.7) 66,63.35 66,66.8 64.35,68.45 64.35,70.4 65,71.05 65,83.3 63.55,84.75 63.55,91.4 63.6,91.4 64.7,92.5 v1(64.7,93.7)
  Bottom w0.3: v1(64.35,61.7) 66.05,60 69.9,60 70.25,60.35 U3.40 ; K_2.A 51.53,98.3 54.2,98.3 58.8,93.7 v1(64.7,93.7)
/ENC2_B: length 62.7
  Top w0.3: v1(65.32,61.64) 66.6,62.92 66.6,67.15 64.88,68.87 64.88,70.18 65.5,70.79 65.5,83.51 64.2,84.81 64.2,91.15 65.5,92.45 v1(65.5,94.6)
  Bottom w0.3: U3.41 70,60.85 69.65,60.5 66.47,60.5 v1(65.32,61.64) ; v1(65.5,94.6) 58.8,94.6 54.64,98.76 K_2.B
/ENC3_A: length 49.5
  Top w0.3: v1(69.05,61.7) 68.75,62 68.75,70.44 69.45,71.14 69.45,73.01 67.27,75.18 67.27,85.68 68.05,86.46 68.05,88.87 69,89.82 69,96.9 68.63,97.27 K_3.A
  Bottom w0.3: v1(69.05,61.7) 69.2,61.85 U3.43
/ENC3_B: length 52.6
  Top w0.3: v1(67.35,87.05) 66.77,86.47 66.77,74.98 68.95,72.8 68.95,71.35 68.25,70.65 v1(68.25,61.4)
  Bottom w0.3: U3.42 69.75,61.35 69.45,61.05 68.6,61.05 v1(68.25,61.4) ; v1(67.35,87.05) 67.35,88.17 69,89.82 69,95.3 73.63,99.93 K_3.B
/ENC4_A: length 327.1
  Bottom w0.25: K_19.A 375.42,98.2 378.35,98.2 380.7,95.85 380.7,92.04 379.15,90.49 379.15,87.3 376.4,84.55 343.19,84.55 342.97,84.32 331.6,84.32 331.07,83.8 103.21,83.8 102.01,82.6 91.61,82.6 84.25,75.24 U3.58
/ENC4_B: length 323.5
  Bottom w0.25: K_19.B 381.15,97.47 381.15,91.85 379.6,90.3 379.6,87.11 376.59,84.1 343.38,84.1 343.16,83.87 331.78,83.87 331.26,83.35 103.4,83.35 102.15,82.1 91.75,82.1 84.75,75.1 U3.59
/nRST: length 73.3
  Top w0.25: v2(101.5,83.9) 101.9,83.5 101.9,59.6 v1(101.5,59.2) ; v1(87.3,85.6) 88,85.6 v2(89.7,83.9)
  Bottom w0.25: Q3.3 74.8,84.55 J2.1 ; v2(89.7,83.9) v2(101.5,83.9) ; U3.7 90.75,61.35 93.2,58.9 101.2,58.9 v1(101.5,59.2) ; C26.1 77.85,85.06 78.39,85.6 v1(87.3,85.6)
  Bottom w0.3: Q3.3 76.4,85.05 76.82,84.62 C26.1
